# Altium PCB Copy of Hrafn425.PcbDoc (part 2 of 3) (continued)
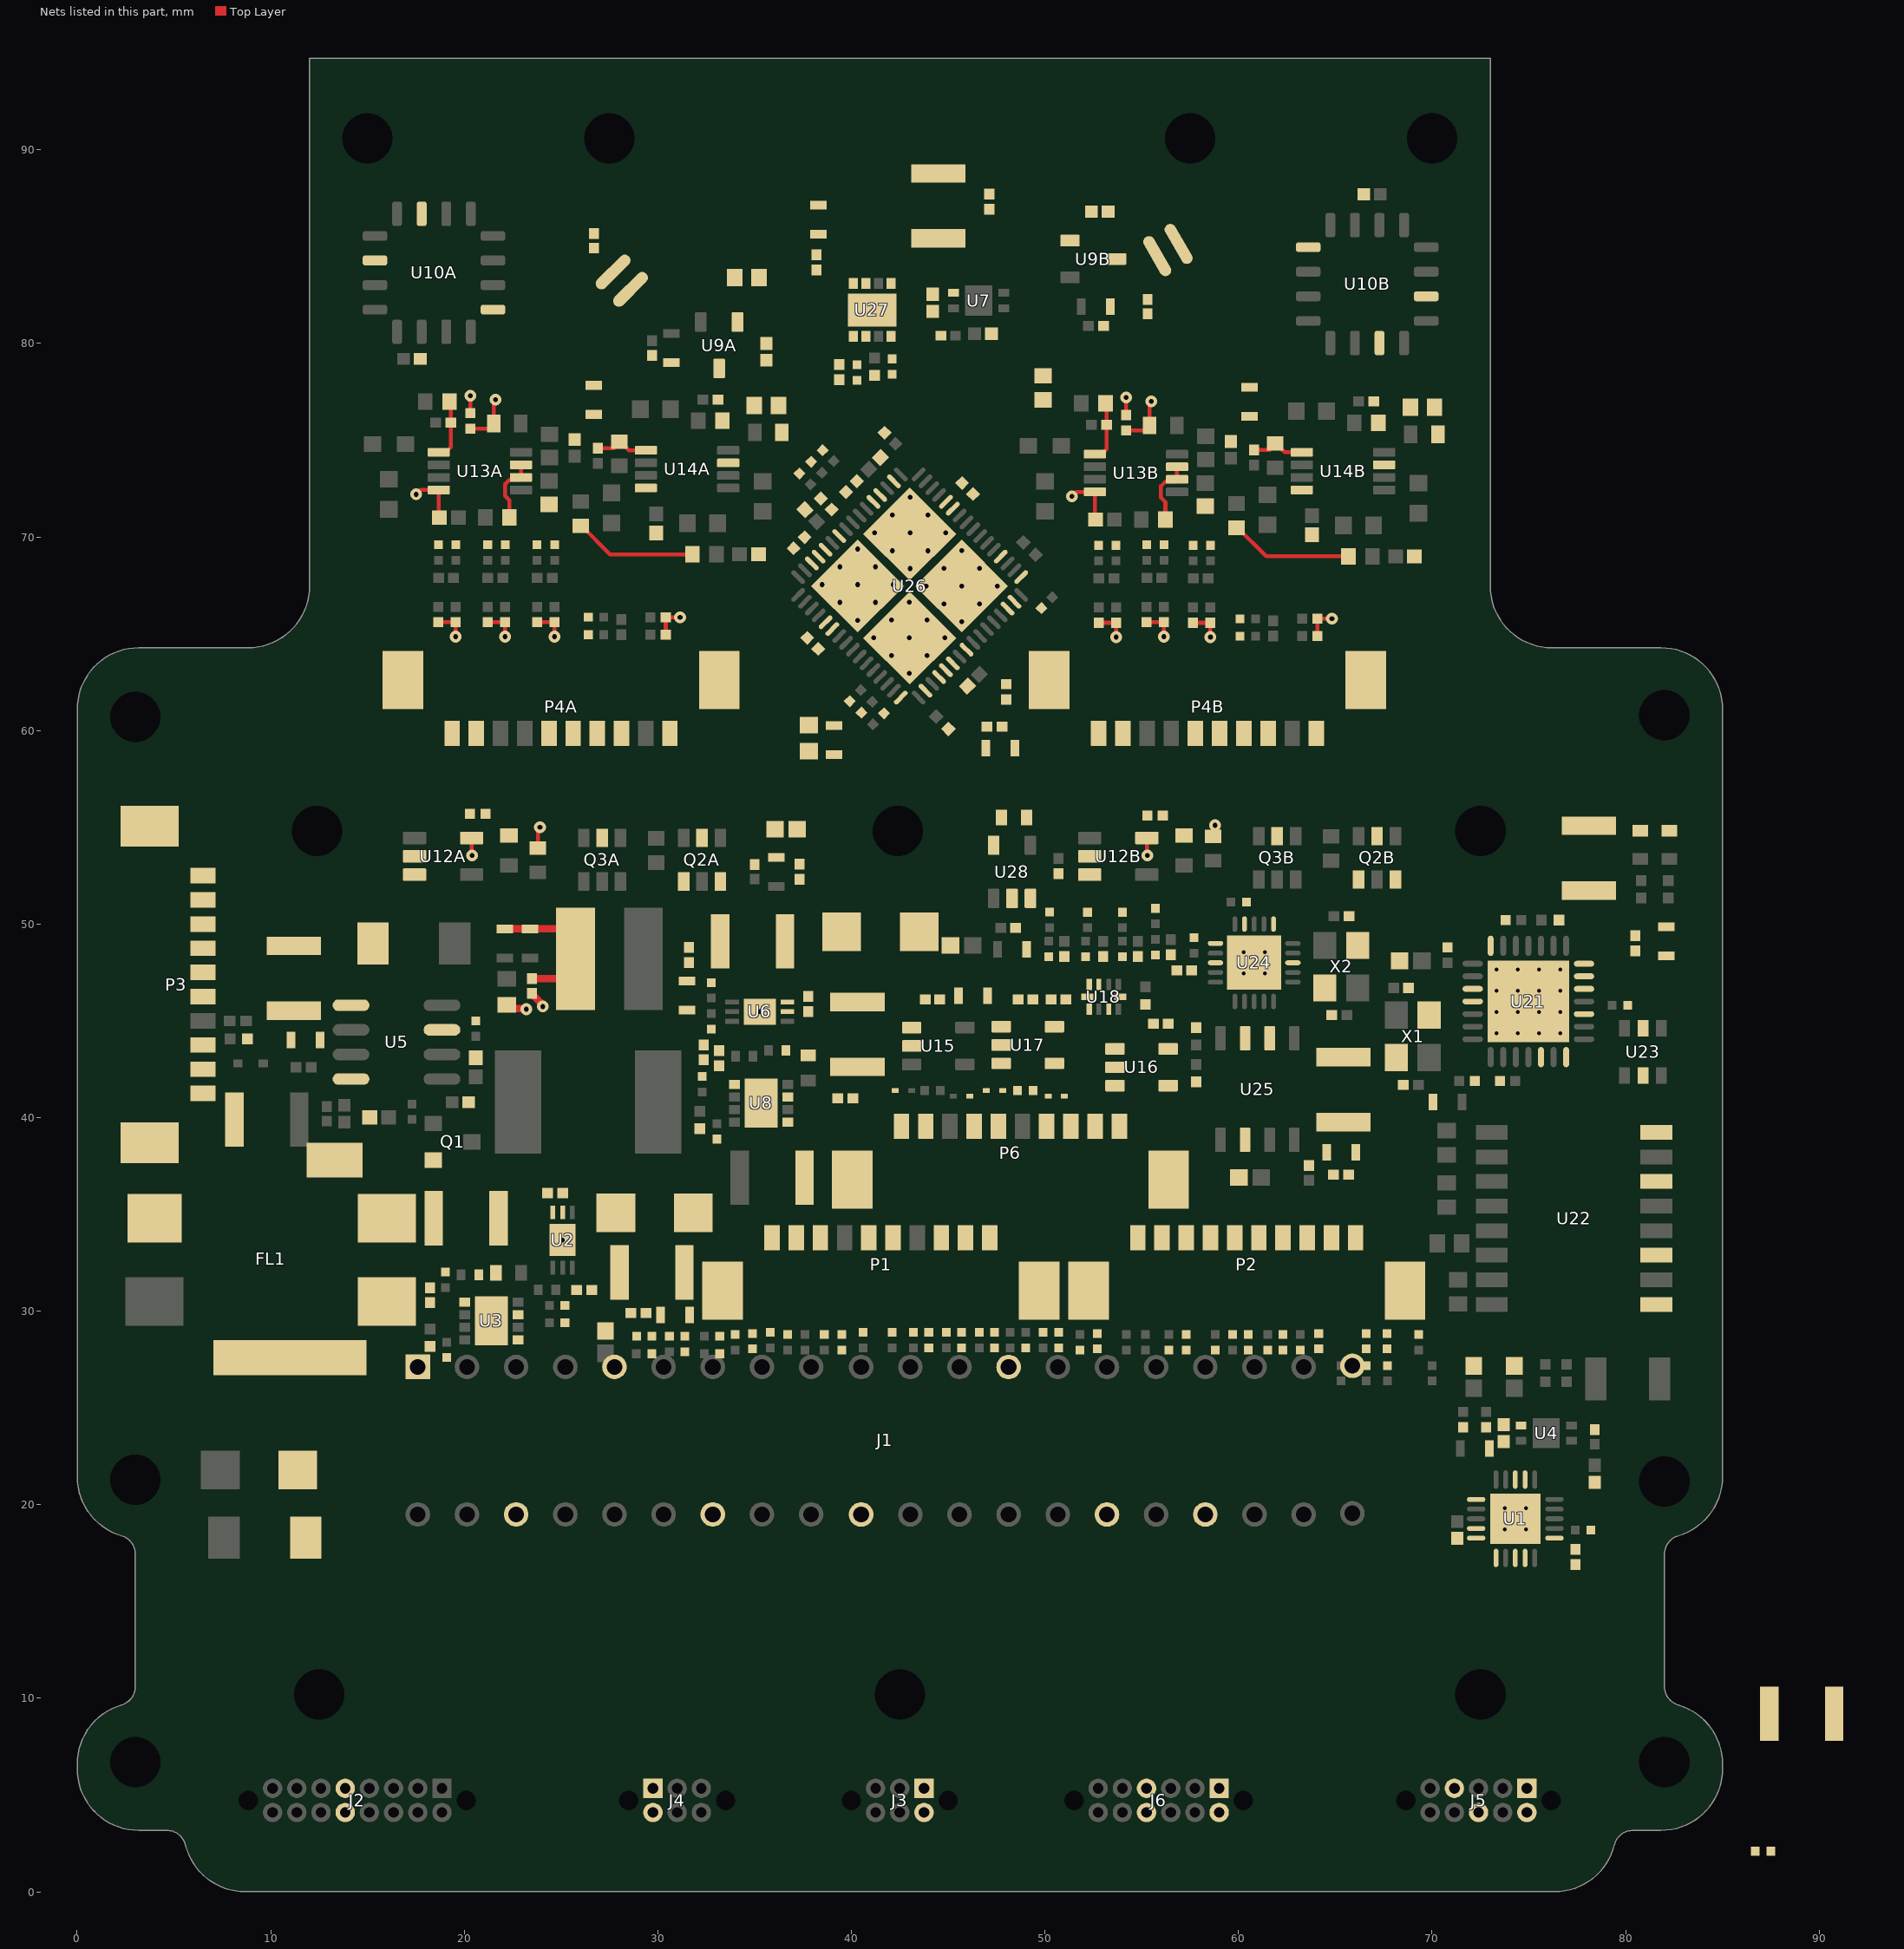
[diagram p4: the nets of this part, all layers, seen from the top]
## Part data (continued)
L1: library part CMP-02424-000671-1, "Commercial Inductors, High Saturation Series 2.2uH 10.5A 13.7mΩ 20%", Case/Package=3232, Current Rating=10.5A, DC Resistance (DCR)=13.7mR, Inductance=2.2uH, Inductance Tolerance=20%, Max DC Current=23A, Max Operating Temperature=125°C, Min Operating Temperature=-55°C, Package Quantity=500, Self Resonant Frequency=33MHz, Test Frequency=100kHz, Core Material=Metal, Depth=8.94mm, Height=4mm, Height - Seated (Max)=0.157inch, Lead Free="Lead Free", Length=8.64mm, Military Standard=Not, Mount="Surface Mount", Number of Pins=2, Packaging="Tape and Reel", Radiation Hardening=No, RMS Current (Irms)=10.5A, Saturation Current=23A, Shielding=Shielded, Termination=SMD/SMT, Tolerance=20%, Width=8.18mm
L2: library part CMP-0227-00320-1, "SMD Shielded Tiny Power Inductor WE-TPC, L = 0.47 µH", Inductance="0.47 µH", ComponentLink1Description="Manufacturer Link", ComponentLink1URL=http://www.we-online.com, ComponentLink2Description=Datasheet, ComponentLink2URL=http://www.we-online.de/katalog/media/pdf/74404300047.pdf, DatasheetVersion="ver 6, Aug-2010", PackageDescription="SMD Inductor, 2-Leads, Body 4.8 x 4.8 mm", PackageReference=WE-TPC-4828-MH, PackageVersion=2010
P1 P2 P3 P4A P4B P6: library part CMP-2000-05635-1, "Male Header, Pitch 1.25 mm, 1 x 10 Position, Height 4.7 mm, -40 to 85 degC, RoHS, Tape and Reel", Current Rating=1A, Manufacturer=Molex, Package Description="Male Header, Pitch 1.25 mm, 1 x 10 Position, Height 4.7 mm", Voltage Rating=125V, Brand=Molex, Contact Gender=Pin(Male), Contact Material=PhosphorBronze, Contact Plating=Tin, Datasheet URL=http://www.molex.com/pdm_docs/sd/533981071_sd.pdf, Datasheet Version="Rev. J, 09/2015", Factory Pack Quantity=1000, Housing Material=Nylon, Manufacturer URL=http://www.molex.com/, Mounting Angle=Vertical, Mounting Style=SMD, Mounting Technology=SurfaceMount, Number of Positions=10Position, Number of Rows=1Row, Package Reference=53398-1071, Packaging=Reel, Pitch=1.25mm, Product=Headers, Product Category=Headers&WireHousings, RoHS=Details, Series=53398, Termination Style=SMD, Tradename=PicoBlade, Type=Shrouded
Q1: library part CMP-1048-00592-1, "General Purpose Transistor, NPN Silicon, 3-Pin SOT-23, Pb-Free, Tape and Reel", Manufacturer="On Semiconductor", ComponentLink1Description="Manufacturer URL", ComponentLink1URL=http://www.onsemi.com/, ComponentLink2Description=Datasheet, ComponentLink2URL=http://www.onsemi.cn/pub_link/Collateral/MMBT2222LT1-D.PDF, ComponentLink3Description="Package Specification", ComponentLink3URL=http://www.onsemi.cn/pub_link/Collateral/318-08.PDF, DatasheetVersion="Rev. 10", fT Min (MHz)=300, IC Continuous (A)=0.6, Mounting Technology="Surface Mount", PackageDescription="3-Pin Small Outline Transistor, Body 2.92 x 1.3 mm, Pitch 0.95 mm", PackageReference=SOT-23-3-318-08, PackageVersion="Rev. AP, 11/2009", Packing="Tape and Reel", PartNumber=MMBT2222ALT3G, Polarity=NPN, RoHS=TRUE
Q2A Q2B Q3A Q3B: library part CMP-1058-00959-1, "Power MOSFET, Complementary, 30 V, +2.9 / -2.2 A, 6-Pin TSOP, Pb-Free, Tape and Reel", Manufacturer="On Semiconductor", Package Type=TSOP-6, Channel Polarity=Complementary, ComponentLink1Description="Manufacturer URL", ComponentLink1URL=http://www.onsemi.com/, ComponentLink2Description=Datasheet, ComponentLink2URL=http://www.onsemi.com/pub_link/Collateral/NTGD4167C-D.PDF, ComponentLink3Description="Package Specification", ComponentLink3URL=http://www.onsemi.com/pub_link/Collateral/318G-02.PDF, Configuration=Dual, DatasheetVersion="Rev. 1", Mounting Technology="Surface Mount", PackageDescription="6-Pin Small Outline Package, Body 3 x 1.5 mm, Pitch 0.95 mm", PackageReference=TSOP-6-318G-02, PackageVersion="Rev. V, 06/2012", Packing="Tape and Reel", PartNumber=NTGD4167CT1G, RoHS=Pb-Free, V(BR)DSS Min (V)=30, VGS Max (V)=12, VGS(th) Max (V)=1.5
R1 R2 R3 R4 R5 R6 R7 R8 R9 R10 R11 R12 R13 R14 R15 R16 R17 R18 R19 R20 R21 R22 R23 R24 R25 R26 R27 R28 R67 R103 R106 R119 R121 R122 R123 R124 R125 R126 R127 R128 R129: library part CMP-2002-08356-1, Manufacturer="Vishay Dale", Part Number=CRCW040220K0FKED, Resistance="220 Ω"
R29 R30 R31 R32 R33 R34 R35 R36 R37 R38 R39 R40 R41 R42 R43 R44 R45 R54 R104: library part CMP-2002-00489-1, Manufacturer=Panasonic, Part Number=ERJ-2GEJ223X, Resistance=22kΩ
R46 R47 R48 R49 R50 R51 R52 R53 R69: library part CMP-2002-08135-1, Manufacturer="Vishay Dale", Part Number=CRCW040210K0FKED
R55 R56 R64 R65: library part CMP-2002-00966-3, "Chip Resistor, 4.99 KOhm, +/- 1%, 100 mW, -55 to 155 degC, 0402 (1005 Metric), RoHS, Tape and Reel", Case Code (Imperial)=0402, Case Code (Metric)=1005, Manufacturer="Basic Passives", Max Operating Temperature="155 degC", Min Operating Temperature="-55 degC", Package Quantity=10000, PartNumber=ERJ-2RKF4991X, Power Rating="100 mW", Resistance="4.99 KOhm", Tolerance=1%, Voltage Rating="50 V", Case\/Package=0402, ComponentLink1Description="Manufacturer URL", ComponentLink1URL=http://www.panasonic.com/, ComponentLink2Description=Datasheet, ComponentLink2URL=http://industrial.panasonic.com/cdbs/www-data/pdf/RDA0000/AOA0000C86.pdf, DatasheetVersion=04/2015, Height="0.35 mm", Length="1 mm", Mount="Surface Mount", Mounting Technology="Surface Mount", PackageDescription="2-Pin Surface Mount Device, Body 1 x 0.5 mm", PackageReference=0402, Packaging="Tape and Reel", Pins=2, Radiation Hardening=No, REACH SVHC=Unknown, RoHSCompliant=true, Weight=2.8E-05oz, Width="0.5 mm"
R57 R58 R71 R72: library part CMP-1011-00397-1, "100R 0.063W 1% 0402 (1005 Metric)  SMD", Case-EIA=0402, Case-Metric=1005, Power="0.063 W", Tolerance="1 %", Technology=SMT
R59 R73 R130: library part CMP-2002-08123-2, "Chip Resistor, 100 KOhm, +/- 1%, 0.63 W, -55 to 155 degC, 0402 (1005 Metric), RoHS, Tape and Reel", Case Code (Imperial)=0402, Case Code (Metric)=1005, Max Operating Temperature="155 degC", Min Operating Temperature="-55 degC", Package Quantity=10000, Power Rating="63 mW", Resistance="100 kohm", Tolerance=1%, Type (Resistor)="Thick Film", Voltage Rating="50 V", Case\Package=0402, ComponentLink1Description="Manufacturer URL", ComponentLink1URL=http://www.vishay.com/, ComponentLink2Description=Datasheet, ComponentLink2URL=http://www.vishay.com/docs/20035/dcrcwe3.pdf, DatasheetVersion=06/2012, Height="0.35 mm", Length="1 mm", Mount="Surface Mount", Mounting Technology="Surface Mount", PackageDescription="2-Pin Surface Mount Device, Body 1 x 0.5 mm", PackageReference=0402, Packaging="Tape and Reel", Pins=2, Radiation Hardening=No, REACH SVHC=Unknown, RoHSCompliant=true, Weight="2.3E-05 oz", Width="0.5 mm"
R60 R74: library part CMP-2000-04331-1, Manufacturer=Yageo, Part Number=RL0603FR-070R02L
R61 R78 R131: library part CMP-2002-01133-1, Manufacturer=Panasonic, Part Number=ERJ2RKF2202X
R62 R79 R132: library part CMP-2002-08429-1, Manufacturer="Vishay Dale", Part Number=CRCW0402274KFKED
R63: library part CMP-2002-06398-1, Manufacturer=Yageo, Part Number=RL0402FR-070R5L
R66 R75 R76 R82A R82B: library part CMP-2002-05790-1, Manufacturer=Panasonic, Part Number=ERA-2AEB202X, Resistance="2 kΩ 0.1%"
R68: library part CMP-2002-07467-1, Manufacturer=Yageo, Part Number=RC0402FR-071K74L, Resistance="1.74 kΩ"
R70: library part CMP-1011-00510-4, "Chip Resistor, 1 KOhm, +/- 1%, 100 mW, -55 to 155 degC, 0402 (1005 Metric), RoHS, Tape and Reel", Case Code (Imperial)=0402, Case Code (Metric)=1005, Manufacturer="Basic Passives", Max Operating Temperature="155 degC", Min Operating Temperature="-55 degC", Package Quantity=10000, PartNumber=ERJ-2RKF1001X, Power Rating="100 mW", Tolerance=1%, Voltage Rating="50 V", Case\/Package=0402, ComponentLink1Description="Manufacturer URL", ComponentLink1URL=http://www.panasonic.com/, ComponentLink2Description=Datasheet, ComponentLink2URL=http://industrial.panasonic.com/cdbs/www-data/pdf/RDA0000/AOA0000C86.pdf, DatasheetVersion=04/2015, Height="0.35 mm", Length="1 mm", Mount="Surface Mount", Mounting Technology="Surface Mount", PackageDescription="2-Pin Surface Mount Device, Body 1 x 0.5 mm", PackageReference=0402, Packaging="Tape and Reel", Pins=2, Radiation Hardening=No, REACH SVHC=Yes, Resistance="1 KOhm", RoHSCompliant=true, Width="0.5 mm"
R77: library part CMP-2002-05889-1, Manufacturer=Panasonic, Part Number=ERA2AEB473X, Resistance="47 kΩ"
R80: library part CMP-2000-04856-1, =Resistance="0 Ω", Manufacturer=Yageo, Part Number=AC0603JR-070RL
R81A R81B: library part CMP-2000-00217-1, Manufacturer=Panasonic, Part Number=ERJ-3EKF1204V
R83A R83B R84A R84B: library part CMP-2100-03667-1, "Chip Resistor, 0 Ohm, +/- 5%, 0.1 W, -55 to 155 degC, 0603 (1608 Metric), RoHS, Tape and Reel", Case Code (Imperial)=0603, Case Code (Metric)=1608, Manufacturer=Yageo, Max Operating Temperature=155degC, Min Operating Temperature=-55degC, Package Description="2-Pin Surface Mount Device, Body 1.6 x 0.8 mm", Package Quantity=5000, Power Rating=100mW, Resistance=0mOhm, Temperature Coefficient=200ppm/degreesC, Tolerance=5%, Voltage Rating=50V, Case/Package=0603, Composition=ThickFilm, Contact Plating=Tin, Datasheet URL=http://www.yageo.com/NewPortal/yageodocoutput?fileName=/pdf/R-Chip/PYu-RC_Group_51_RoHS_L_5.pdf, Datasheet Version="Rev. 5, 10/2016", Depth=0.8mm, Height=0.45mm, Lead Free=LeadFree, Length=1.6mm, Manufacturer URL=http://www.yageo.com/, Military Standard=Not, Number of Pins=2, Package Reference=0603, Packaging=TapeandReel, Radiation Hardening=No, REACH SVHC=NoSVHC, RoHSCompliant=true, Termination=SMD/SMT, Voltage Rating (DC)=50V, Width=0.8mm
R85A R85B R86A R86B R87A R87B R96A R96B R97A R97B R98A R98B: library part CMP-2000-03736-1, Manufacturer="Vishay Dale", Part Number=TNPW0603249KBEEA, Resistance=249KΩ
R88A R88B R95A R95B: library part CMP-2000-00874-1, Manufacturer=Panasonic, Part Number=ERA-3AEB103V
R89A R89B R90A R90B R91A R91B R92A R92B R93A R93B R94A R94B: library part CMP-03412-033519-1, "RES SMD 4.99K OHM 0.1% 1/10W", Manufacturer=Yageo, Manufacturer Part Number=RT0603BRE074K99L, Package=RT0603, Power Rating=0.1W, Temperature="-55°C to +155°C", Temperature Coefficient="50 ppm/°C", Temperature Range High=+155°C, Temperature Range Low=-55°C, Tolerance=0.001, Voltage Rating=75V, Automotive=No, Category=Res, ComponentLink2Description=Datasheet, ComponentLink2URL=http://www.yageo.com/documents/recent/PYu-RT_1-to-0.01_RoHS_L_9.pdf, Composition="Thin Film", Device Class L1="Passive Components", Device Class L2=Resistors, Device Class L3="Chip SMD Resistors", Digikey Description="RES SMD 4.99K OHM 0.1% 1/10W", Footprint Url=http://www.yageo.com/exep/pages/download/literatures/PYu-R_Mount_10.pdf, Height=0.55mm, Ipc Land Pattern Name=RESC16080X45, Lead Free=Yes, Mouser Description="Res Thin Film 0603 4.99K Ohm 0.1% 1/10W ±50ppm/°C Molded SMD Paper T/R", Octopart=https://octopart.com/rt0603bre074k99l-yageo-1445653, Resistance=4.99KΩ, RoHS=TRUE, Series=RT
R99 R100: library part CMP-2002-00605-3, "Chip Resistor, 100 Ohm, +/- 1%, 100 mW, -55 to 155 degC, 0402 (1005 Metric), RoHS, Tape and Reel", Case Code (Imperial)=0402, Case Code (Metric)=1005, Manufacturer="Basic Passives", Max Operating Temperature="155 degC", Min Operating Temperature="-55 degC", Package Quantity=10000, PartNumber=ERJ-2RKF1000X, Power Rating="100 mW", Tolerance=1%, Voltage Rating="50 V", Case\/Package=0402, ComponentLink1Description="Manufacturer URL", ComponentLink1URL=http://www.panasonic.com/, ComponentLink2Description=Datasheet, ComponentLink2URL=http://industrial.panasonic.com/cdbs/www-data/pdf/RDA0000/AOA0000C86.pdf, DatasheetVersion=04/2015, Height="0.35 mm", Length="1 mm", Mount="Surface Mount", Mounting Technology="Surface Mount", PackageDescription="2-Pin Surface Mount Device, Body 1 x 0.5 mm", PackageReference=0402, Packaging="Tape and Reel", Pins=2, Radiation Hardening=No, REACH SVHC=Yes, Resistance="100 Ohm", RoHSCompliant=true, Width="0.5 mm"
R101: library part CMP-2002-00116-1, Manufacturer="Vishay Dale", Part Number=CRCW04025K10JNED, Resistance="5.1 kΩ"
R102: library part CMP-2000-00853-1, Manufacturer=Panasonic, Part Number=ERJ-3RQFR22V, Resistance="0.22 Ω"
R107 R109 R113 R114: library part CMP-2000-03436-1, Manufacturer="Vishay Dale", Part Number=CRCW060350R0FKEA, Resistance="50 Ω"
R108: library part CMP-2002-08457-1, Manufacturer="Vishay Dale", Part Number=CRCW04022K32FKED, Resistance="2.32 kΩ"
R111 R112 R117 R118: library part CMP-2002-08276-1, Manufacturer="Vishay Dale", Part Number=CRCW04021K00FKED, Resistance="1 kΩ"
R115 R116: library part CMP-2002-01061-1, Manufacturer=Panasonic, Part Number=ERJ-2RKF75R0X, Resistance="75 Ω"
R133A R133B R133C R133D R133E R133F R133G R133H R134A R134B R134C R134D R134E R134F R134G R134H: library part CMP-2002-00870-1, Manufacturer=Panasonic, Part Number=ERJ2RKF3301X, Resistance="3.3 KΩ"
U1: library part CMP-0313-00349-2, "8 Channel 12-Bit SAR Analog-to-Digital Converter with SPI Interface and Temperature Sensor 1MSPS, -40 to +125 degC, CP-20-8, Pb-Free, Tray", Generic Part Number=AD7298, Manufacturer="Analog Devices", Channels=9, Code_JEDEC=MO-220-WGGD, ComponentLink1Description="Manufacturer URL", ComponentLink1URL=http://www.analog.com/en/index.html, ComponentLink2Description=Datasheet, ComponentLink2URL=http://www.analog.com/static/imported-files/data_sheets/AD7298.pdf, ComponentLink3Description="Package Specification", ComponentLink3URL=http://www.analog.com/static/imported-files/packages/PKG_PDF/LFCSP(CP)/CP-20/CP_20_8.pdf, ComponentLink4Description="Product URL", ComponentLink4URL=http://www.analog.com/en/analog-to-digital-converters/ad-converters/ad7298/products/product.html, DatasheetVersion=Rev.B, Interface=SPI, Mounting Technology="Surface Mount", PackageDescription="20-Lead Lead Frame Chip Scale Package [LFCSP_WQ] 4 x 4 mm Body, Very Very Thin Quad", PackageReference=CP-20-8, PackageVersion=020509-B, Packing=Tray, PartNumber=AD7298BCPZ, Resolution (Bits)=12, RoHS=Y, Throughput Rate (SPS)=1M
U3 U8 U27: library part CMP-07123-000004-1, "IC LOAD SWITCH 0.4-2A OCP 8MLP", Ambient Temperature Range High=+85°C, Ambient Temperature Range Low=-40°C, Manufacturer="ON Semiconductor", Max Junction Temp=+125°C, Max Power Dissipation=1.25W, Max Supply Voltage=36V, Min Supply Voltage=2.8V, Nominal Supply Current=92uA, Output Current=0.4-2A, Package=511DD, Temperature="-40°C to +125°C", Automotive=No, Category=IC, ComponentLink2Description=Datasheet, ComponentLink2URL=https://www.onsemi.com/pub/Collateral/FPF2702-D.pdf, Device Class L1="Integrated Circuits (ICs)", Device Class L2="Power Management ICs", Device Class L3="Gate Drivers", Digikey Description="IC LOAD SWITCH 0.4-2A OCP 8MLP", Fall Time=1.5ms, Footprint Url=https://www.onsemi.com/pub/Collateral/511DD.PDF, Height=0.8mm, Ipc Land Pattern Name=DFN300X300X80-8, Lead Free=Yes, Manufacturer Part Number=FPF2701MPX, Mouser Description="Power Switch ICs - Power Distribution AccuPower Advanced Load Mngmnt Products", Number Of Outputs=1, Octopart=https://octopart.com/fpf2701mpx-on+semiconductor-84327806, Rise Time=7.5ms, RoHS=TRUE, Standoff Height=0mm, Temperature Range High=+125°C, Temperature Range Low=-40°C, Turn Off Delay Time=0.1ms, Turn On Delay Time=2.7ms
U4 U7: library part AD590, Supplier 1=Digi-Key
U5: library part CMP-0491-01945-1, "4.5 A, 500 kHz Step-Down Switching Regulator, 8-pin SOIC (S8-8), 0 to 125 degC, Pb-Free", Frequency Sync Range="580kHz - 1MHz", Manufacturer="Linear Technology", ComponentLink1Description="Manufacturer URL", ComponentLink1URL=http://www.linear.com/, ComponentLink2Description=Datasheet, ComponentLink2URL=http://cds.linear.com/docs/en/datasheet/1959fs.pdf, ComponentLink3Description="Package Specification", ComponentLink3URL=http://cds.linear.com/docs/en/packaging/05081610_G_SO8.pdf, Mounting Technology="Surface Mount", Number Of Outputs=1, PackageDescription="8-Pin Plastic Small Outline (Narrow .150 Inch), Body 4.9 x 3.9 mm, Pitch 1.27 mm", PackageReference=S8-8, PackageVersion="Rev. G, 03/2012", PartNumber=LT1959CS8#PBF, RoHS=TRUE
U9A U9B: library part CMP-0367-00163-2, "4.096 V, 50 ppm / degC, 50 uA Series (Bandgap) Voltage Reference, -40 to 125 degC, 3-pin SOT-23 (DBZ), Green (RoHS & no Sb/Br)", Manufacturer="Texas Instruments", Rating=Catalog, Temp Coeff(Max)(ppm/ degree C)=50, Temp Coeff(Typ)(ppm/ degree C)=20, Code_JEDEC=TO-236, ComponentLink1Description="Manufacturer URL", ComponentLink1URL=http://www.ti.com/, ComponentLink2Description=Datasheet, ComponentLink2URL=http://www.ti.com/general/docs/lit/getliterature.tsp?genericPartNumber=REF3040&fileType=pdf, ComponentLink3Description="Package Specification", ComponentLink3URL=http://www.ti.com/litv/pdf/mpds108a, DatasheetVersion=SBVS032F, Eco-Plan="Green (RoHS & no Sb/Br)", Initial Accuracy @ 25/deg C(%)=0.2, Iq(Max)(uA)=50, Mounting Technology="Surface Mount", PackageDescription="3-Pin Plastic Small Outline, Body 2.92 x 1.3 mm, Pitch 0.95 mm", PackageReference=DBZ0003A, PackageVersion=4203227/B, PartNumber=REF3040AIDBZT, SubFamily="Series Voltage Reference", VI(Max)(V)=5.5, VI(Min)(V)=4.097, VO(V)=4.096
U10A U10B: Case/Package=PLCC, Manufacturer 1=Honeywell, Max Operating Temperature=125°C, Max Supply Voltage=20V, Min Operating Temperature=-40°C, Min Supply Voltage=1.8V, Nominal Supply Current=500mA, Operating Supply Voltage=3V, Package Quantity=66, Axis="X, Y, Z", Bandwidth=5MHz, ComponentLink1Description=https://datasheet.ciiva.com/15099/getdatasheetpartid-59250-15099355.pdf?src-supplier=Verical, ComponentLink1URL=https://datasheet.ciiva.com/15099/getdatasheetpartid-59250-15099355.pdf?src-supplier=Verical, ComponentLink2Description=https://datasheet.ciiva.com/2816/hmc-1051-1052-1053-data-sheet-2816521.pdf?src-supplier=Digi-Key, ComponentLink2URL=https://datasheet.ciiva.com/2816/hmc-1051-1052-1053-data-sheet-2816521.pdf?src-supplier=Digi-Key, Height=2.5mm, Length=7.4mm, Manufacturer Part Number 1=HMC1053, Number of Pins=16, Output Type="Wheatstone Bridge", Packaging="Tape and Reel", Pricing 1="1=70.65000, 4=63.60000, 100=53.00010, 500=51.24000 (USD)", Radiation Hardening=No, RoHS=Yes, Sensing Method=Magnetoresistive, Stock 1=284, Supplier 1=Digi-Key, Width=7.4mm
U12A U12B: library part CMP-0859-00023-3, "Single Inverter Gate, DBV0005A, LARGE T&R", F @ Nom Voltage(Max)(Mhz)=75, Generic Part Number=SN74AHC1G04, ICC @ Nom Voltage(Max)(mA)=0.01, Manufacturer="Texas Instruments", Operating Temperature Range(C)="-40 to 125", Rating=Catalog, tpd @ Nom Voltage(Max)(ns)=10.6,7.5, Voltage(Nom)(V)=3.3,5, 3-State Output=No, Bits(#)=1, DatasheetVersion=SCLS318S, Input Type=CMOS, Logic=Inverting, Output Drive (IOL/IOH)(Max)(mA)=50/-50, Output Type=CMOS, PackageReference=DBV0005A, Schmitt Trigger=No, Sub-Family="Inverting Buffer/Driver", Technology Family=AHC, VCC(Max)(V)=5.5, VCC(Min)(V)=2
U13A U13B U14A U14B: library part CMP-0055-01527-3, "Zero Drift, Low Noise, EMI Hardened Amplifier, 8-pin Mini SOIC, Pb-Free", Manufacturer="Texas Instruments", Package Reference=DGK0008A, PackageTopMarking=ZXTT*AV5A, PowerWise=N, Code_JEDEC=MO-187-AA, ComponentLink1Description="Datasheet URL", ComponentLink1URL=http://www.ti.com/general/docs/lit/getliterature.tsp?genericPartNumber=LMP2022&fileType=pdf, CompType=Amplifiers, PackageDescription="MINI SOIC, .118 x .118 x .034in, 8 Lead, .0256in Pitch", PinCount=8, RoHS=Y
U15 U17: library part CMP-0058-01133-3, "3V LVDS Single CMOS Differential Line Receiver, 5-pin SOT-23, Pb-Free", Manufacturer="Texas Instruments", PackageTopMarking=N02*XTT, PowerWise=N, ComponentLink1Description="Datasheet URL", ComponentLink1URL=http://www.ti.com/general/docs/lit/getliterature.tsp?genericPartNumber=DS90LV012A&fileType=pdf, CompType="Interface IC", PackageDescription="Molded SOT-23, .115 x .063 x .040 in Body, 5 Lead, .0375 in Pitch", PackageReference=DBV0005A, PinCount=5, RoHS=Y
U16: library part CMP-0338-00013-2, "Processor Supervisory Circuit, 1 Supply Monitored, -40 to 85 degC, 5-Pin SOT-23 (DBV), Green (RoHS & no Sb/Br)", Manufacturer="Texas Instruments", Operating Temperature Range="-40 to 85 degC", Rating=Catalog, Threshold Voltage="2.93 V Typ.", # of Supplies Monitored=1, ComponentLink1Description="Manufacturer URL", ComponentLink1URL=www.ti.com, ComponentLink2Description=Datasheet, ComponentLink2URL=http://www.ti.com/lit/ds/symlink/tps3820-33.pdf, ComponentLink3Description="Package Specification", ComponentLink3URL=http://www.ti.com/lit/ml/mpds018j/mpds018j.pdf, DatasheetVersion=SLVS165J, Iq="15 uA Typ.", Mounting Technology="Surface Mount", Output Driver Type / Reset Output="Active-low, Push-pull", PackageDescription="5-Pin Plastic Small Outline, Body 1.6 x 2.9 mm, Pitch 0.95 mm", PackageReference=DBV0005A, PackageVersion=4073253-4/L, Packing="Tape and Reel", PartNumber=TPS3820-33DBVT, Reset Threshold Accuracy=2.4%, RoHS=TRUE, Time Delay="25 ms", VCC="1.1 V Min.", Watchdog Timer WDI="0.2 s"
U18: library part CMP-04892-000024-1, "IC SWITCH SPDT DUAL 10UQFN", Ambient Temperature Range High=+85°C, Ambient Temperature Range Low=-40°C, Manufacturer="Texas Instruments", Max Supply Voltage=4.8V, Min Supply Voltage=2.3V, Nominal Supply Current=30uA, On State Resistance=4.6/5.7Ω, Package=RSE0010A, Temperature="-40°C to +85°C", -3Db Bandwith=6.1GHz, Automotive=No, Category=IC, ComponentLink2Description=Datasheet, ComponentLink2URL=http://www.ti.com/lit/ds/symlink/tmux136.pdf, Device Class L1="Integrated Circuits (ICs)", Device Class L2="Interface ICs", Device Class L3="Analog Switches", Digikey Description="IC SWITCH SPDT DUAL 10UQFN", Footprint Url=http://www.ti.com/lit/ds/symlink/ts3a24157.pdf, Height=0.6mm, Ipc Land Pattern Name=QFN50P150X200X55-10, Lead Free=Yes, Manufacturer Part Number=TMUX136RSER, Mouser Description="Dual SPDT, Low-Capacitance, 6.1 GHz Analog Switch 10-UQFN -40 to 85", Mux Demux Ratio=2:1, Number of Circuits=2, Octopart=https://octopart.com/tmux136rser-texas+instruments-86728646, RoHS=TRUE, Standoff Height=0mm, Temperature Range High=+85°C, Temperature Range Low=-40°C, Throw Configuration=SPDT
U21: library part CMP-0186-00028-2, "Stand-Alone Ethernet Controller with SPI Interface, 28-Pin QFN, Industrial Temperature", Code_JEDEC=MO-220, ComponentLink1Description="Manufacturer URL", ComponentLink1URL=http://www.microchip.com/, ComponentLink2Description=Datasheet, ComponentLink2URL=http://ww1.microchip.com/downloads/en/DeviceDoc/39662c.pdf, ComponentLink3Description="Package Specification", ComponentLink3URL=http://www.microchip.com/stellent/groups/techpub_sg/documents/packagingspec/en012702.pdf, DatasheetVersion="revC, Jan-2008", PackageDescription="28-Lead Plastic Quad Flat, No Lead Package (ML) - 6x6 mm Body [QFN] with 0.55 mm Contact Length", PackageReference=QFN-ML28, PackageVersion="revBB, Aug-2009", RevisionNote="URLs added."
U22: library part CMP-2000-06431-1, "Telecom Transformer 1:1/1:1, -40 to 85 degC, 16-Pin SMT, RoHS, Tube", Manufacturer="Pulse Electronics", Package Description="16-Pin Surface Mount Device, Body 12.7 x 9.09 mm, Pitch 1.27 mm", Package Reference=SMT, Standard Package=40, Category=Transformers, Datasheet URL=http://productfinder.pulseeng.com/products/datasheets/HX1188FNL.pdf;jsessionid=D0CB5525A348FF42F5E5BE320CB10324, Datasheet Version="Rev. B, 05/2014", Family=PulseTransformers, Height - Seated (Max)=5.99mm, Manufacturer URL=http://www.pulseelectronics.com/, Mounting Technology=SurfaceMount, Mounting Type=SurfaceMount, Online Catalog=HX1188, Other Names=553-2200, Other Related Documents=PackagesFNLvs.NL, PartNumber=HX1188FNL, Size / Dimension=12.70mmLx9.00mmW, Transformer Type=IsolationandDataInterface(Encapsulated), Turns Ratio - Primary=Secondary:1:1Transmitter,1:1Receiver
U23: library part CMP-1063-00180-1, "4-Channel Low Capacitance ESD Protection Array, 6-Pin SOT-23, Pb-Free, Tape and Reel", Manufacturer="On Semiconductor", C Max (pF)=0.8, ComponentLink1Description="Manufacturer URL", ComponentLink1URL=http://www.onsemi.com/, ComponentLink2Description=Datasheet, ComponentLink2URL=http://www.onsemi.com/pub_link/Collateral/CM1224-D.PDF, ComponentLink3Description="Package Specification", ComponentLink3URL=http://www.onsemi.com/pub_link/Collateral/527AJ.PDF, DatasheetVersion="Rev. 5", Direction=Unidirectional, IR Max (uA)=1, Mounting Technology="Surface Mount", Number of Lines=4, PackageDescription="6-Pin Small Outline Transistor, Body 2.85 x 1.55 mm, Pitch 0.95 mm", PackageReference=SOT23-6-527AJ, PackageVersion="Rev. B, 02/2012", Packing="Tape and Reel", PartNumber=CM1224-04SO, PPK Max (W)=0.225, RoHS=Pb-Free
U24: library part CMP-0186-00186-1, "Stand-Alone CAN Controller With SPI Interface, 20-Pin QFN, Industrial Temperature, Tape and Reel", ComponentLink1Description="Manufacturer URL", ComponentLink1URL=http://www.microchip.com/, ComponentLink2Description=Datasheet, ComponentLink2URL=http://ww1.microchip.com/downloads/en/DeviceDoc/21801F.pdf, ComponentLink3Description="Package Specification", ComponentLink3URL=http://www.microchip.com/stellent/groups/techpub_sg/documents/packagingspec/en012702.pdf, DatasheetVersion="revF, Oct-2010", PackageDescription="20-Lead Plastic Quad Flat, No Lead Package (ML) - 4x4x0.9 mm Body [QFN]", PackageReference=QFN-ML20, PackageVersion="revBB, Aug-2009"
U25: library part CMP-0315-00015-2, "3.3V CAN Transceiver with Standby Mode, 17 mA, -40 to 85 degC, 8-pin SOIC (D), Green (RoHS & no Sb/Br)", Drivers Per Package=1, Low Power Mode=Standby, Manufacturer="Texas Instruments", Rating=Catalog, Supply Voltage(s)(V)=3.3, Code_JEDEC=MS-012AA, ComponentLink1Description=Datasheet, ComponentLink1URL=http://www.ti.com/general/docs/lit/getliterature.tsp?genericPartNumber=SN65HVD230&fileType=pdf, DatasheetVersion=SLOS346K, Eco-Plan="Green (RoHS & no Sb/Br)", ICC(Max)(mA)=17, Isolated=No, Mounting Technology="Surface Mount", PackageDescription="8-Pin Plastic Small Outline Integrated Circuit, 4.9 x 3.9 mm, Pitch 1.27 mm Pitch", PackageReference=D0008A, PackageVersion="revM, Jun-2011", PartNumber=SN65HVD230DR, Receivers Per Package=1, SubFamily=CAN, Transient Pulse Protection(V)="-25 to 25"
U26: "ANALOG DEVICES - AD7779ACPZ - Analogue to Digital Converter, 8-CH, Sigma-Delta, 24 bit, 16 kSPS, Differential, Single Ended, SPI", Manufacturer 1="Analog Devices", Manufacturer Part Number 1=AD7779ACPZ, Max Operating Temperature=125°C, Max Supply Voltage=3.6V, Min Operating Temperature=-40°C, Min Supply Voltage=2.2V, Supplier Part Number 1=AD7779ACPZ-ND, Category="Analog to Digital Converters (ADCs)", ComponentLink1Description=http://www.mouser.com/ds/2/609/AD7779-907534.pdf?src-supplier=Mouser, ComponentLink1URL=http://www.mouser.com/ds/2/609/AD7779-907534.pdf?src-supplier=Mouser, ComponentLink2Description=http://www.farnell.com/datasheets/2251075.pdf?src-supplier=Farnell, ComponentLink2URL=http://www.farnell.com/datasheets/2251075.pdf?src-supplier=Farnell, ComponentLink3Description=http://www.farnell.com/datasheets/2170257.pdf?src-supplier=Element14, ComponentLink3URL=http://www.farnell.com/datasheets/2170257.pdf?src-supplier=Element14, ComponentLink4Description=http://www.analog.com/media/en/technical-documentation/data-sheets/AD7779.pdf?src-supplier=Digi-Key, ComponentLink4URL=http://www.analog.com/media/en/technical-documentation/data-sheets/AD7779.pdf?src-supplier=Digi-Key, Interface=Serial,SPI, Lead Free="Contains Lead", Number of A/D Converters=8, Number of Bits=24, Number of Inputs=8, Number of Pins=64, Packaging=Tray, Pricing 1="1=13.27000, 10=12.19800, 25=11.69200, 100=9.79600, 250=9.16400, 500=8.53200, 1000=8.40560 (USD)", REACH SVHC="No SVHC", Resolution=24b, RoHS=Yes, Sampling Rate=16000S/s, Stock 1=259, Supplier 1=Digi-Key
U28: library part CMP-0394-00266-2, "Single Output High PSRR LDO, 100 mA, Fixed 3.3 V Output, 2.7 to 5.5 V Input, 5-pin SOT-23 (DBV), -40 to 125 degC, Green (RoHS & no Sb/Br)", Manufacturer="Texas Instruments", Rating=Catalog, Accuracy(%)=2, Code_JEDEC=MO-178, ComponentLink1Description="Manufacturer URL", ComponentLink1URL=http://www.ti.com/, ComponentLink2Description=Datasheet, ComponentLink2URL=http://www.ti.com/general/docs/lit/getliterature.tsp?genericPartNumber=TPS79133&fileType=pdf, ComponentLink3Description="Package Specification", ComponentLink3URL=http://www.ti.com/litv/pdf/mpds018i, ComponentLink4Description="URL Link1", ComponentLink4URL="Samples URL:http://www.ti.com/product/tps79133#samples", DatasheetVersion=SLVS325C, Eco-Plan="Green (RoHS & no Sb/Br)", Fixed Output Options(V)=3.3, Iout(Max)(A)=0.1, Iq(Typ)(mA)=0.2, Mounting Technology="Surface Mount", PackageDescription="5-Pin Plastic Small Outline, Body 1.60 Ãƒâ€” 2.90 mm, Pitch 0.95 mm", PackageReference=DBV0005A, PackageVersion=4073253-4/K, PartNumber=TPS79133DBVR, SubFamily="Single Channel LDO", Vdo(Typ)(mV)=50, Vin(Max)(V)=5.5, Vin(Min)(V)=2.7, Vout Adj(Max)(V)=3.3, Vout Adj(Min)(V)=3.3
X1 X2: library part CMP-2000-05733-1, "Ultra Miniature Ceramic Glass Sealed SMD Crystal, 25 MHz, -40 to 85 degC, 4-Pin SMD, RoHS, Tape and Reel", Case Height=1mm, Case Length=3.2mm, Case Width=2.5mm, Frequency=25MHz, Frequency Stability=30PPM, Load Capacitance=18pF, Manufacturer=ABRACON, Operating Temperature Range=-40Cto+85C, Package / Case=3.2mmx2.5mm, Package Description="4-Pin Surface Mount Device, Body 2.5 x 3.2 mm, Pitch 2.2 mm", Package Reference=ABM8G, Tolerance=20PPM, Brand=ABRACON, Datasheet URL=http://www.abracon.com/Resonators/ABM8G.pdf, Datasheet Version=08/2015, Dimensions=2.5mmWx3.2mmLx1mmH, ESR=60Ohms, Factory Pack Quantity=1000, Manufacturer URL=http://www.abracon.com/, Mounting Style=SMD/SMT, Mounting Technology=SurfaceMount, Packaging=Reel, Product Category=Crystals, RoHS=Details, Series=ABM8G, Termination Style=SMD/SMT, Type=UltraMiniatureGlassSealedCrystal
U2 U6: ComponentLink1Description=Datasheet, ComponentLink1URL=https://www.analog.com/media/en/technical-documentation/data-sheets/6105fa.pdf
U11A U11B: Supplier 1=Digi-Key, Supplier 2=Digi-Key, Supplier Part Number 2=AD590LF-ND

## Free pads (board coordinates)
  round 0 hole 2.6: 2(3,6.7) 2(3,21.3) 2(3,60.7) 2(12.4,54.8) 2(12.5,10.2) 2(15,90.6) 2(27.5,90.6) 2(42.4,54.8) 2(42.5,10.2) 2(57.5,90.6) 2(70,90.6) 2(72.5,10.2) 2(72.5,54.8) 2(82,6.7) 2(82,21.2) 2(82,60.8)

## Via types
v1: diameter 0.61, hole 0.254, Top Layer to Bottom Layer, 38 vias
v2: diameter 0.6, hole 0.25, Top Layer to Bottom Layer, 36 vias
v3: diameter 0.5, hole 0.2, Top Layer to Bottom Layer, 24 vias

## Nets (pads, with @x,y where several pads share a name; then routed paths per layer and width w, separated by ;. In a path a pad name is that pad's centre, name@x,y a point inside that pad or via, vN(x,y) a via of type N, cw(c..) or ccw(c..) an arc to the next point about the centre after c; other vN are vias at no path point)
1_A: C47B.2 P4B.4 R85B.2 R133A.1 U13B.1 | length 3.1
  Top Layer w0.203: U13B.1@52.575,74.275 52.925,74.275 53.19,74.54 C47B.2@53.19,75.8 53.19,76.835 R85B.2@53.125,76.9
1_B: C48B.2 P4B.5 R86B.2 R133B.1 U14B.7
1_C: C49B.2 P4B.6 R87B.2 U14B.1 | length 2.8
  Top Layer w0.203: C49B.2@60.8,74.49 61.614,74.49 61.614,74.552 61.887,74.825 R87B.2@61.9,74.825 61.95,74.825 62.223,74.552 62.223,74.547 62.395,74.375 U14B.1@63.275,74.375
1_H: P4B.3 R96B.1 R97B.1 R98B.1 R134A.1 R134B.1 R134C.1 U13B.6 U13B.7 | length 9.9
  Top Layer w0.203: R98B.1@56.225,70.9 56.222,70.903 56.222,71.798 55.996,72.024 55.996,72.626 56.221,72.852 56.702,72.852 U13B.6@56.825,72.975 U13B.7@56.825,73.625 ; R97B.1@59.85,70.475 R97B.1@59.9,70.475 59.95,70.475 61.425,69 R96B.1@65.675,69
1_T: P4B.9 R82B.2 U11B.2
2_A: C47A.2 P4A.4 R85A.2 R133E.1 U13A.1 | length 3.1
  Top Layer w0.203: U13A.1@18.685,74.375 19.035,74.375 19.3,74.64 C47A.2@19.3,75.9 19.3,76.935 R85A.2@19.235,77
2_B: C48A.2 P4A.5 R86A.2 R133F.1 U14A.7
2_C: C49A.2 P4A.6 R87A.2 R133C.1 R133G.1 U14A.1 | length 2.8
  Top Layer w0.203: C49A.2@26.91,74.59 27.724,74.59 27.724,74.652 27.997,74.925 R87A.2@28.01,74.925 28.06,74.925 28.333,74.652 28.333,74.647 28.505,74.475 U14A.1@29.385,74.475
2_H: P4A.3 R96A.1 R97A.1 R98A.1 R134E.1 R134F.1 R134G.1 U13A.6 U13A.7 | length 9.9
  Top Layer w0.203: R98A.1@22.335,71 22.332,71.003 22.332,71.898 22.106,72.124 22.106,72.726 22.331,72.952 22.812,72.952 U13A.6@22.935,73.075 U13A.7@22.935,73.725 ; R97A.1@25.96,70.575 R97A.1@26.01,70.575 26.06,70.575 27.535,69.1 R96A.1@31.785,69.1
2_T: P4A.9 R82A.2 R133D.1 R133H.1 U11A.2
3V3_Pi: J1.1 P3.5
3V3_RAW: C27.2 C63.1 C64.1 C65.1 L2.2 P3.3 U8.1 | length 7.5
  Top Layer w0.381: C65.1@22.1,49.75 C64.1@23.4,49.75 24.94,49.75 25.75,48.941 25.75,48 24.94,47.19 C63.1@23.5,47.19
5V_RAW: C5.1 C14.2 FL1.2 P3.1 U3.1
800KHZ_N: D10.1 J3.2 J4.2 P6.5 R100.1 U17.4
800KHZ_P: D9.1 J3.1 J4.1 P6.4 R100.2 U17.3
A3V3: C37.2 C40.2 C50A.2 C50B.2 C51A.2 C51B.2 C62A.2 C62B.2 C89.2 C90.2 C91.2 C92.2 C93.2 C94.2 C95.2 C99.1 C100.2 C101.2 P4A.1 P4B.1 R47.2 R83A.2 R83B.2 R84A.2 R84B.2 R121.2 R122.2 R130.2 U26.6 U26.24 U26.43 U26.52 U26.58 U26.62 U28.5 | length 5.2
  Top Layer w0.203: C50A.2@20.31,75.6 21.271,75.6 21.52,75.848 R83A.2@21.52,75.861 21.52,77.01 v1(21.61,77.1) ; C50B.2@54.2,75.5 55.161,75.5 55.41,75.748 R83B.2@55.41,75.761 55.41,76.91 v1(55.5,77)
A5V: C20.2 C21.2 C26.2 C38A.2 C38B.2 C106.2 FB3.1 R49.2 U4.1 U7.1 U11A.1 U11B.1 U27.1
A_N: J5.1 U22.14
A_P: J5.2 U22.16
AGND: C20.1 C37.1 C38A.1 C38B.1 C40.1 C41A.1 C41B.1 C43A.1 C43B.1 C45A.1 C45B.1 C50A.1 C50B.1 C51A.1 C51B.1 C52A.1 C52B.1 C53A.1 C53B.1 C54A.1 C54B.1 C55A.1 C55B.1 C61A.1 C61B.1 C62A.1 C62B.1 C89.1 C90.1 C91.1 C92.1 C93.1 C94.1 C95.1 C99.2 C100.1 C101.1 C102.1 C103.1 C104.1 C105.1 C106.1 C109.2 C111A.1 C111B.1 C111C.1 C111D.1 C111E.1 C111F.1 C111G.1 C111H.1 C112A.1 C112B.1 C112C.1 C112D.1 C112E.1 C112F.1 C112G.1 C112H.1 C116.1 C117.1 P4A.10 P4A.MP1 P4A.MP2 P4B.10 P4B.MP1 P4B.MP2 R80.1 R82A.1 R82B.1 R95A.1 R95B.1 R123.2 R124.2 R125.2 R126.2 R127.2 R131.1 R132.1 R134D.1 R134H.1 U9A.3 U9B.3 U10A.5 U10A.11 U10A.14 U10B.5 U10B.11 U10B.14 U13A.4 U13B.4 U14A.4 U14B.4 U26.0 U26.5 U26.22 U26.31 U26.44 U26.50 U26.53 U26.60 U26.61 U27.5 U27.9 | length 20.6
  Top Layer w0.203: v1(17.51,72.2) 17.735,72.425 U13A.4@18.685,72.425 18.685,71.035 C53A.1@18.72,71 ; C112E.1@18.659,65.591 C111E.1@19.559,65.591 v1(19.559,64.85) ; C50A.1@20.21,76.5 C50A.1@20.31,76.4 v1(20.31,77.3) ; C112F.1@21.212,65.591 C111F.1@22.112,65.591 v1(22.112,64.85) ; C112G.1@23.764,65.591 C111G.1@24.664,65.591 v1(24.664,64.85) ; C112H.1@30.409,64.95 C111H.1@30.409,65.85 v1(31.15,65.85) ; v1(51.4,72.1) 51.625,72.325 U13B.4@52.575,72.325 52.575,70.935 C53B.1@52.61,70.9 ; C112A.1@52.775,65.565 C111A.1@53.675,65.565 v1(53.675,64.824) ; C50B.1@54.1,76.4 C50B.1@54.2,76.3 v1(54.2,77.2) ; C112B.1@55.25,65.591 C111B.1@56.15,65.591 v1(56.15,64.85) ; C112C.1@57.65,65.565 C111C.1@58.55,65.565 v1(58.55,64.824) ; C112D.1@64.084,64.875 C111D.1@64.084,65.775 v1(64.825,65.775)
  other v2: 42.994,62.958 42.075,63.877 43.914,63.877 41.156,64.796 42.994,64.796 44.833,64.796 45.699,65.627 40.325,65.698 42.075,65.715 43.914,65.715 44.78,66.546 46.618,66.546 39.406,66.617 41.244,66.617 42.994,66.635 43.86,67.466 45.699,67.466 47.537,67.466 38.486,67.536 40.325,67.536 42.163,67.536 43.03,68.367 44.78,68.385 46.618,68.385 39.406,68.455 41.244,68.455 42.11,69.286 43.949,69.286 45.699,69.304 40.325,69.375 41.191,70.206 43.03,70.206 44.868,70.206 42.11,71.125 43.949,71.125 43.03,72.044
B_N: J5.6 U22.9
B_P: J5.7 U22.11
CAN_CSb: P2.9 R17.2 R37.1 U24.16
CAN_H: J6.7 J6.8 U25.7
CAN_INT: P2.6 R22.2 R44.1 U24.11
CAN_L: J6.1 J6.2 U25.6
CLK: P6.8 R129.1 U5.7 U18.8
CLK_GOOD: P6.2 R11.2 U16.1
CLK_PRI: P6.7 U16.4 U17.5 U18.1
CLK_SEC: P6.9 R3.1 U18.3
CLK_SEL: R10.2 U18.9
CUR_MON_3V3: C108.2 P3.8 R64.2 U1.2
CUR_MON_5V: C107.2 P3.4 R55.2 U1.3
D3V3: C12.2 C13.2 C23.2 C33.2 C34.2 C46A.2 C46B.2 C56.2 C57.2 C58.2 C59.2 C60.1 C78.1 C79.2 C80.2 C84.2 C85.1 C86.2 C87.2 C96.1 C97.2 C98.2 D6.1 FB5.2 FB6.2 FB7.2 FB8.1 P3.6 P6.1 R29.2 R30.2 R32.2 R33.2 R35.2 R36.2 R37.2 R38.2 R40.2 R42.2 R43.2 R44.2 R46.2 R54.2 R59.2 R72.1 R73.2 R74.2 R81A.2 R81B.2 R103.1 R104.2 R117.2 U1.10 U1.16 U2.2 U6.2 U12A.5 U12B.5 U15.1 U16.3 U16.5 U17.1 U18.10 U23.5 U24.18 | length 3.6
  Top Layer w0.203: U12A.5@20.385,54.45 20.385,53.575 v1(20.41,53.55) ; R81A.2@23.81,53.925 23.81,54.79 23.91,54.89 v1(23.91,55) ; U12B.5@55.262,54.45 55.262,53.575 v1(55.287,53.55) ; R81B.2@58.687,54.525 58.787,54.625 v1(58.787,55.1)
D5V: C15.1 C16.2 C17.2 C19.2 C66.1 C67.1 D3.1 FB2.1 FB3.2 FB4.1 P3.2 R48.2 R58.1 R60.2 R67.1 U5.1
DGND: C5.2 C6.1 C7.1 C8.1 C9.1 C10.1 C11.2 C12.1 C13.1 C14.1 C15.2 C16.1 C17.1 C21.1 C22.1 C23.1 C25.2 C26.1 C27.1 C28.1 C29.1 C30.1 C32.1 C33.1 C34.1 C36.1 C39A.2 C39B.2 C42.1 C46A.1 C46B.1 C56.1 C57.1 C58.1 C59.1 C60.2 C63.2 C66.2 C67.2 C68.1 C69.2 C70.1 C71.2 C72.1 C73.1 C75.1 C76.1 C77.1 C78.2 C79.1 C80.1 C82.2 C83.1 C84.1 C85.2 C86.1 C87.1 C88.1 C96.2 C97.1 C98.1 C107.1 C108.1 D3.2 D5.2 D6.2 D7.2 D8.2 D9.2 D10.2 D15.1 D16.1 FL1.4 FL1.5 FL1.6 J1.6 J1.9 J1.14 J1.20 J1.25 J1.30 J1.34 J1.39 P1.10 P1.MP1 P1.MP2 P2.10 P2.MP1 P2.MP2 P3.9 P3.10 P3.MP1 P3.MP2 P6.10 P6.MP1 P6.MP2 Q1.2 Q2A.5 Q2B.5 Q3A.5 Q3B.5 R31.1 R34.1 R39.1 R41.1 R45.1 R50.1 R51.1 R52.1 R53.1 R56.2 R61.1 R62.1 R63.1 R65.2 R66.1 R70.1 R75.1 R77.1 R78.1 R79.1 R80.2 R101.2 R102.1 R108.1 R118.1 U1.6 U1.9 U1.21 U2.0 U2.3 U3.5 U3.9 U5.4 U6.0 U6.3 U8.5 U8.9 U12A.3 U12B.3 U15.2 U16.2 U17.2 U18.5 U21.7 U21.14 U21.17 U21.18 U21.26 U21.29 U23.2 U24.8 U24.21 U25.2 U28.2 U28.3 X1.2 X1.4 X2.2 X2.4 | length 2
  Top Layer w0.381: R102.1@22.2,45.825 22.381,45.644 23.156,45.644 v1(23.2,45.6) ; C63.2@23.5,46.41 23.5,46.39 24.013,45.877 24.013,45.782 v1(24.056,45.739)
  other v1: 25.072,33.677 35.268,45.482
  other v3: 73.75,18.725 74.85,18.725 73.75,19.825 74.85,19.825 73.325,44.35 74.425,44.35 75.525,44.35 76.625,44.35 73.325,45.45 74.425,45.45 75.525,45.45 76.625,45.45 73.325,46.55 74.425,46.55 75.525,46.55 76.625,46.55 60.26,47.45 61.36,47.45 73.325,47.65 74.425,47.65 75.525,47.65 76.625,47.65 60.26,48.55 61.36,48.55
ETH_CSb: P2.8 R16.2 R35.1 U21.5
ETH_INT: P2.7 R14.2 R45.2 U21.28
ETH_RESETb: P1.1 R21.1 R104.1 U21.6
FLAGB_3V3: U8.7
FLAGB_5V: U3.7
FLAGB_MAG: R7.2 U27.7
HK_CSb: P1.9 R6.1 R38.1 U1.11
MAG_5V: C43A.2 C43B.2 C109.1 C116.2 C117.2 U9A.1 U9B.1 U27.8
MAG_ALERT: P2.1 R20.1 R39.2 U26.16
MAG_CSb: P1.8 R23.1 R36.1 U26.18
MAG_DRDYb: P2.2 R9.1 R40.1 U26.30
MAG_ONb: R4.2 R131.2 U27.4
MAG_PGOOD: R5.2 R130.1 U27.2
MAG_RESETb: P2.5 R2.1 R43.1 U26.36
MAG_SR: P2.3 Q2A.1 Q2A.3 Q2B.1 Q2B.3 R26.1 R41.2 U12A.2 U12B.2
MAG_STARTb: P2.4 R1.1 R42.1 U26.33
MISO0: P1.3 R13.1 R30.1 R106.1 R119.1
MISO1: P1.6 R24.1 R33.1 U1.14 U26.21
MOSI0: P1.2 R12.1 R29.1 U21.3 U24.14
MOSI1: P1.5 R27.2 R32.1 U1.13 U26.20
NetC4_1: C4.1 D1.1 D2.1 FL1.1 J2.9 J2.10 pad.2@3,6.7